# Altium PCB Main_PCB.PcbDoc (part 1 of 13) (continued)
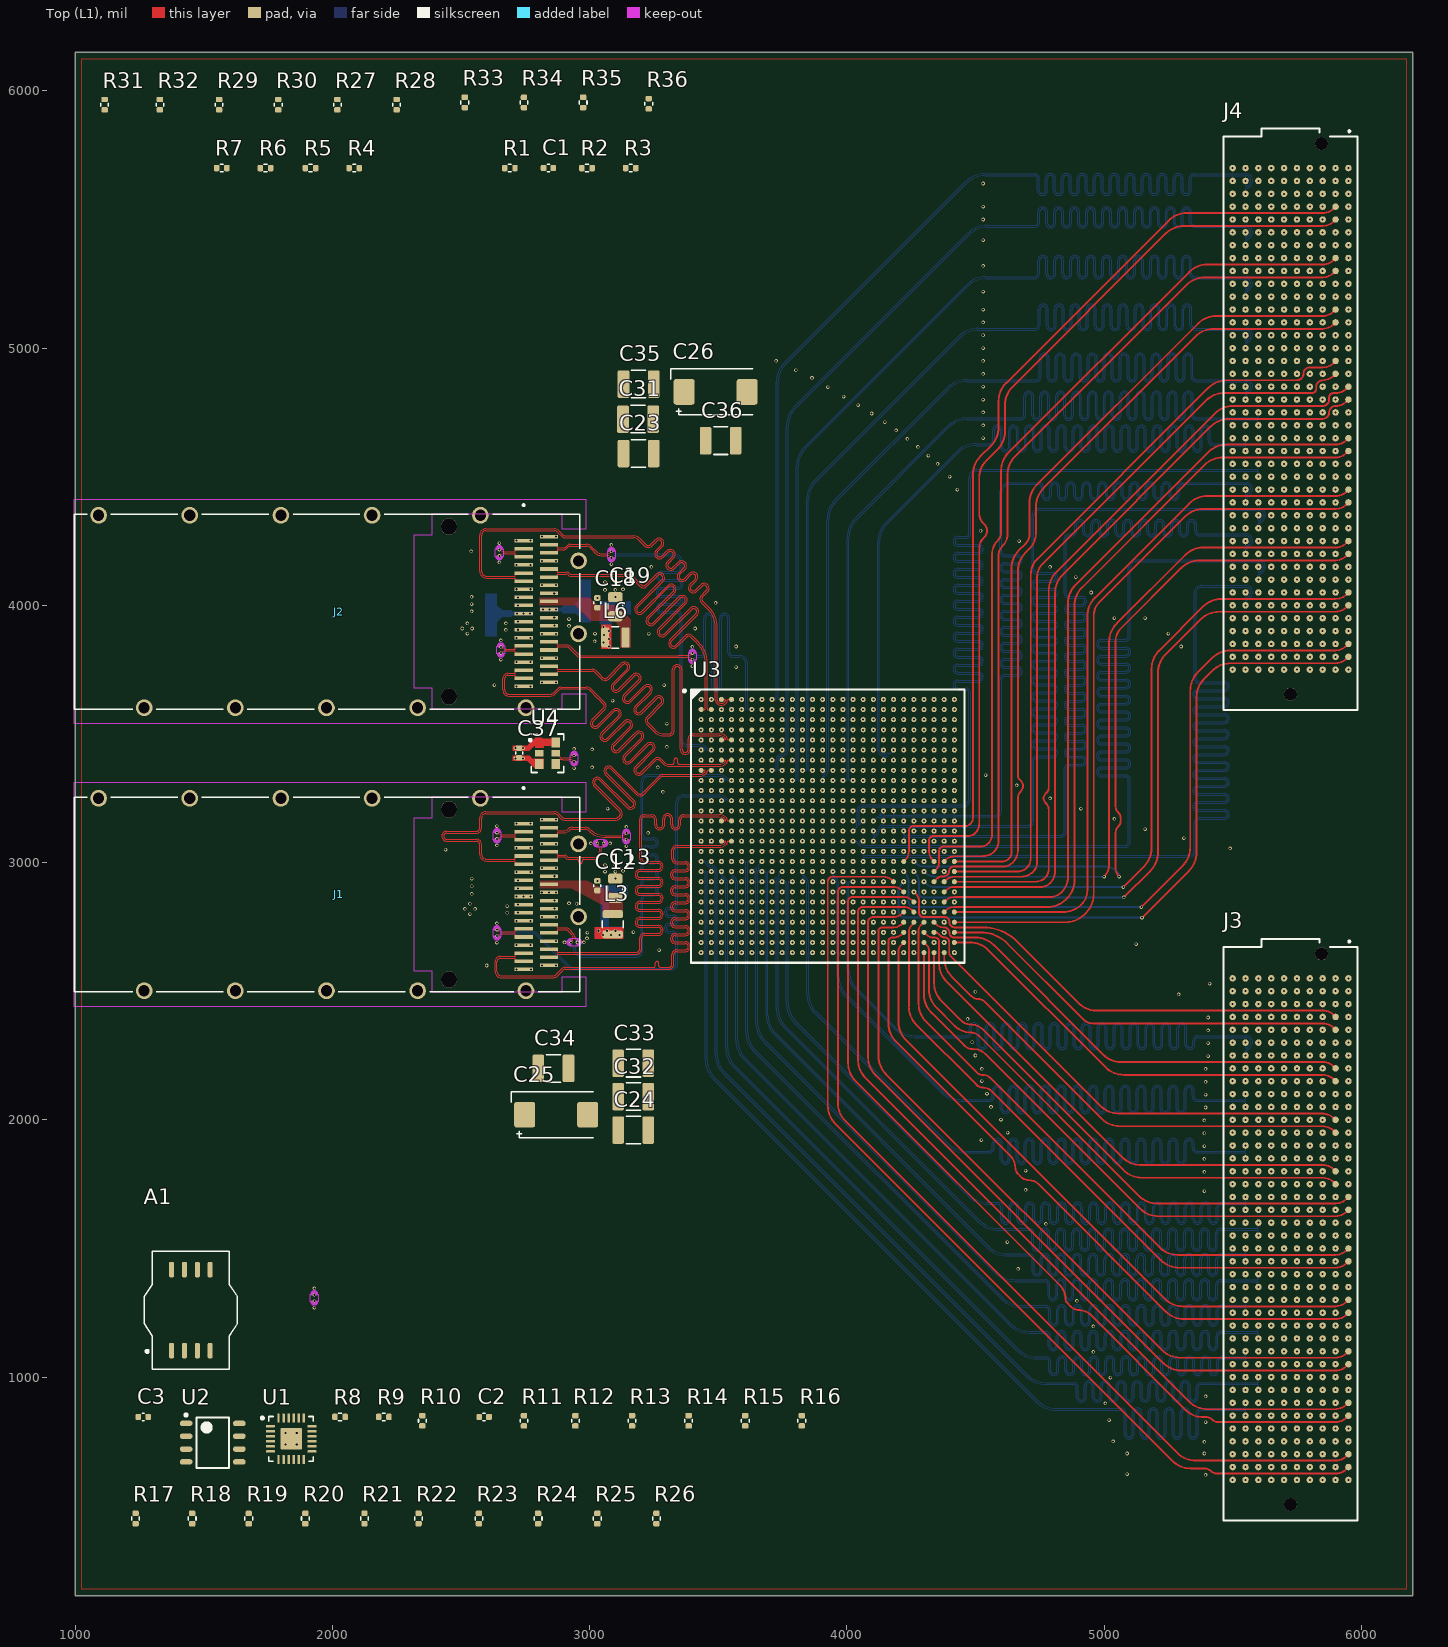
[diagram p0: Top (L1) view]
## Design rules (kind name [scope] priority, off if disabled: settings) (continued)
RoutingVias MinVias [All] p1: holewidth=7.87 width=13.78 viastyle="Through Hole" minholewidth=5.91 minwidth=9.84 maxholewidth=11.81 maxwidth=17.72
RoutingVias [All] p2: holewidth=28 width=50 viastyle="Through Hole" minholewidth=7.87 minwidth=50 maxholewidth=28 maxwidth=50
SolderMaskExpansion SolderMaskExpansion_Vias [IsVia] p1: expansion=4 istentingtop=TRUE useseparateexpansions=TRUE expansionbottom=4 istentingbottom=TRUE
SolderMaskExpansion [All] p2: expansion=4 istentingtop=FALSE
ViasUnderSMD [All] p1: allowed=TRUE
Width MaxMinWidth_1 [InNetClass('SE50')] p1: maxlimit=10 minlimit=5.05 preferedwidth=10 toplayer_minwidth=7.36 toplayer_maxwidth=7.36 toplayer_prefwidth=7.36 midlayer3_maxwidth=5.05 midlayer3_prefwidth=5.05 midlayer4_maxwidth=5.05 midlayer4_prefwidth=5.05 midlayer5_maxwidth=5.05 midlayer5_prefwidth=5.05 midlayer7_maxwidth=5.05 midlayer7_prefwidth=5.05 midlayer9_maxwidth=5.05 midlayer9_prefwidth=5.05 bottomlayer_minwidth=7.36 bottomlayer_maxwidth=7.36 bottomlayer_prefwidth=7.36 impedanceprofiledriven=TRUE impedanceprofileid={C27AE475-2679-46D0-AAB1-ABCC5B14D099} impedanceprofilevalue=50.000000 minimp=50.000000 maximp=50.000000 favimp=50.000000
Width MaxMinWidth_2 [InNetClass('Power')] p2: maxlimit=150 minlimit=4 preferedwidth=10 minimp=50.000000 maximp=50.000000 favimp=50.000000
Width [All] p3: maxlimit=10 minlimit=10 preferedwidth=10
27 further rules are at their usual default settings.

## Classes and differential pairs
net class Power: 1V0 1V2 1V8 3V3 3V3AUX GND
differential pair class QSFP_B: D_QSFP_B_RX1 D_QSFP_B_RX2 D_QSFP_B_RX3 D_QSFP_B_RX4 D_QSFP_B_TX1 D_QSFP_B_TX2 D_QSFP_B_TX3 D_QSFP_B_TX4
differential pair class QSFP_A: D_QSFP_A_RX1 D_QSFP_A_RX2 D_QSFP_A_RX3 D_QSFP_A_RX4 D_QSFP_A_TX1 D_QSFP_A_TX2 D_QSFP_A_TX3 D_QSFP_A_TX4
differential pair class HPCC_B: D_HPCC_B_01 D_HPCC_B_02 D_HPCC_B_03 D_HPCC_B_04 D_HPCC_B_05 D_HPCC_B_06 D_HPCC_B_07 D_HPCC_B_08 D_HPCC_B_09 D_HPCC_B_10 D_HPCC_B_11 D_HPCC_B_12 D_HPCC_B_13 D_HPCC_B_14 D_HPCC_B_15 D_HPCC_B_16 D_HPCC_B_17 D_HPCC_B_18 D_HPCC_B_19 D_HPCC_B_20 D_HPCC_B_21 D_HPCC_B_22 D_HPCC_B_23 D_HPCC_B_24 D_HPCC_B_25 D_HPCC_B_26 D_HPCC_B_27 D_HPCC_B_28 D_HPCC_B_29 D_HPCC_B_30 D_HPCC_B_31 D_HPCC_B_32 D_HPCC_B_33 D_HPCC_B_34 D_HPCC_B_35 D_HPCC_B_36 D_HPCC_B_37 D_HPCC_B_38 D_HPCC_B_39 D_HPCC_B_40 D_HPCC_B_41 D_HPCC_B_42 D_HPCC_B_43 D_HPCC_B_44 D_HPCC_B_45 D_HPCC_B_46 D_HPCC_B_47 D_HPCC_B_48 D_HPCC_B_49 D_HPCC_B_50 D_HPCC_B_51 D_HPCC_B_52 D_HPCC_B_53 D_HPCC_B_54 D_HPCC_B_55 D_HPCC_B_56 D_HPCC_B_57 D_HPCC_B_58 D_HPCC_B_59 D_HPCC_B_60 D_HPCC_B_61 D_HPCC_B_62 D_HPCC_B_63 D_HPCC_B_64 D_HPCC_B_65 D_HPCC_B_66 D_HPCC_B_67 D_HPCC_B_68 D_HPCC_B_69 D_HPCC_B_70 D_HPCC_B_71 D_HPCC_B_72
differential pair class HPCC_A: D_HPCC_A_01 D_HPCC_A_02 D_HPCC_A_03 D_HPCC_A_04 D_HPCC_A_05 D_HPCC_A_06 D_HPCC_A_07 D_HPCC_A_08 D_HPCC_A_09 D_HPCC_A_10 D_HPCC_A_11 D_HPCC_A_12 D_HPCC_A_13 D_HPCC_A_14 D_HPCC_A_15 D_HPCC_A_16 D_HPCC_A_17 D_HPCC_A_18 D_HPCC_A_19 D_HPCC_A_20 D_HPCC_A_21 D_HPCC_A_22 D_HPCC_A_23 D_HPCC_A_24 D_HPCC_A_25 D_HPCC_A_26 D_HPCC_A_27 D_HPCC_A_28 D_HPCC_A_29 D_HPCC_A_30 D_HPCC_A_31 D_HPCC_A_32 D_HPCC_A_33 D_HPCC_A_34 D_HPCC_A_35 D_HPCC_A_36 D_HPCC_A_37 D_HPCC_A_38 D_HPCC_A_39 D_HPCC_A_40 D_HPCC_A_41 D_HPCC_A_42 D_HPCC_A_43 D_HPCC_A_44 D_HPCC_A_45 D_HPCC_A_46 D_HPCC_A_47 D_HPCC_A_48 D_HPCC_A_49 D_HPCC_A_50 D_HPCC_A_51 D_HPCC_A_52 D_HPCC_A_53 D_HPCC_A_54 D_HPCC_A_55 D_HPCC_A_56 D_HPCC_A_57 D_HPCC_A_58 D_HPCC_A_59 D_HPCC_A_60 D_HPCC_A_61 D_HPCC_A_62 D_HPCC_A_63 D_HPCC_A_64 D_HPCC_A_65 D_HPCC_A_66 D_HPCC_A_67 D_HPCC_A_68 D_HPCC_A_69 D_HPCC_A_70 D_HPCC_A_71 D_HPCC_A_72
net class SE50: EEPROM_I2C_SCL EEPROM_I2C_SDA FGPA_I2C_SCL FGPA_I2C_SDA FPGA_FLASH_H\O\L\D\/D3 FPGA_FLASH_MISO/D1 FPGA_FLASH_MOSI/D0 FPGA_FLASH_S\S\ FPGA_FLASH_SCK FPGA_FLASH_W\/D2 FPGA_I2C_EXT0_SCL FPGA_I2C_EXT0_SDA FPGA_I2C_EXT1_SCL FPGA_I2C_EXT1_SDA HPCC_A_GP01 HPCC_A_GP02 HPCC_A_GP03 HPCC_A_GP04 HPCC_A_GP05 HPCC_A_GP06 HPCC_A_GP07 HPCC_A_GP08 HPCC_A_GP09 HPCC_A_GP10 HPCC_A_GP11 HPCC_A_GP12 HPCC_A_GP13 HPCC_A_GP14 HPCC_A_GP15 HPCC_A_GP16 HPCC_A_GP17 HPCC_A_GP18 HPCC_A_GP19 HPCC_A_GP20 HPCC_A_I2C_SCL HPCC_A_I2C_SDA HPCC_B_GP01 HPCC_B_GP02 HPCC_B_GP03 HPCC_B_GP04 HPCC_B_GP05 HPCC_B_GP06 HPCC_B_GP07 HPCC_B_GP08 HPCC_B_GP09 HPCC_B_GP10 HPCC_B_GP11 HPCC_B_GP12 HPCC_B_GP13 HPCC_B_GP14 HPCC_B_GP15 HPCC_B_GP16 HPCC_B_GP17 HPCC_B_GP18 HPCC_B_GP19 HPCC_B_GP20 HPCC_B_I2C_SCL HPCC_B_I2C_SDA JTAG_TCK JTAG_TDI JTAG_TDO JTAG_TMS JTAG_TRST MC_ALT_I2C_SCL MC_ALT_I2C_SDA QSFP_A_SCL QSFP_A_SDA QSFP_B_SCL QSFP_B_SDA
component class QSFP_Cages_Connectors: C4 C5 C6 C7 C8 C9 C10 C11 C12 C13 C14 C15 C16 C17 C18 C19 J1 J2 L1 L2 L3 L4 L5 L6 R27 R28 R29 R30 R31 R32
component class I2C_Switch_I2C_EEPROM: C2 C3 R8 R9 R10 R11 R12 R13 R14 R15 R16 R17 R18 R19 R20 R21 R22 R23 R24 R25 R26 U1 U2
component class HPCC_Connector_B: J4
component class HPCC_Connector_A: J3
component class FPGA_Power: C20 C21 C22 C23 C24 C25 C26 C27 C28 C29 C30 C31 C32 C33 C34 C35 C36
component class FPGA_GTXqs: C37 R36 U4
component class FPGA_FLASH: A1 C1 R1 R2 R3 R4 R5 R6 R7
component class Configuration_JTAG: R33 R34 R35 U3
differential pair D_HPCC_A_16: +HPCC_A_16_P -HPCC_A_16_N
differential pair D_HPCC_A_17: +HPCC_A_17_P -HPCC_A_17_N
differential pair D_HPCC_A_18: +HPCC_A_18_P -HPCC_A_18_N
differential pair D_HPCC_A_19: +HPCC_A_19_P -HPCC_A_19_N
differential pair D_HPCC_A_20: +HPCC_A_20_P -HPCC_A_20_N
differential pair D_HPCC_A_21: +HPCC_A_21_P -HPCC_A_21_N
differential pair D_HPCC_A_22: +HPCC_A_22_P -HPCC_A_22_N
differential pair D_HPCC_A_23: +HPCC_A_23_P -HPCC_A_23_N
differential pair D_HPCC_A_24: +HPCC_A_24_P -HPCC_A_24_N
differential pair D_HPCC_A_25: +HPCC_A_25_P -HPCC_A_25_N
differential pair D_HPCC_A_26: +HPCC_A_26_P -HPCC_A_26_N
differential pair D_HPCC_A_27: +HPCC_A_27_P -HPCC_A_27_N
differential pair D_HPCC_A_28: +HPCC_A_28_P -HPCC_A_28_N
differential pair D_HPCC_A_29: +HPCC_A_29_P -HPCC_A_29_N
differential pair D_HPCC_A_30: +HPCC_A_30_P -HPCC_A_30_N
differential pair D_HPCC_A_31: +HPCC_A_31_P -HPCC_A_31_N
differential pair D_HPCC_A_32: +HPCC_A_32_P -HPCC_A_32_N
differential pair D_HPCC_A_33: +HPCC_A_33_P -HPCC_A_33_N
differential pair D_HPCC_A_34: +HPCC_A_34_P -HPCC_A_34_N
differential pair D_HPCC_A_35: +HPCC_A_35_P -HPCC_A_35_N
differential pair D_HPCC_A_36: +HPCC_A_36_P -HPCC_A_36_N
differential pair D_HPCC_A_37: +HPCC_A_37_P -HPCC_A_37_N
differential pair D_HPCC_A_38: +HPCC_A_38_P -HPCC_A_38_N
differential pair D_HPCC_A_39: +HPCC_A_39_P -HPCC_A_39_N
differential pair D_HPCC_A_40: +HPCC_A_40_P -HPCC_A_40_N
differential pair D_HPCC_A_41: +HPCC_A_41_P -HPCC_A_41_N
differential pair D_HPCC_A_42: +HPCC_A_42_P -HPCC_A_42_N
differential pair D_HPCC_A_43: +HPCC_A_43_P -HPCC_A_43_N
differential pair D_HPCC_A_44: +HPCC_A_44_P -HPCC_A_44_N
differential pair D_HPCC_A_45: +HPCC_A_45_P -HPCC_A_45_N
differential pair D_HPCC_A_46: +HPCC_A_46_P -HPCC_A_46_N
differential pair D_HPCC_A_47: +HPCC_A_47_P -HPCC_A_47_N
differential pair D_HPCC_A_48: +HPCC_A_48_P -HPCC_A_48_N
differential pair D_HPCC_A_49: +HPCC_A_49_P -HPCC_A_49_N
differential pair D_HPCC_A_50: +HPCC_A_50_P -HPCC_A_50_N
differential pair D_HPCC_A_51: +HPCC_A_51_P -HPCC_A_51_N
differential pair D_HPCC_A_52: +HPCC_A_52_P -HPCC_A_52_N
differential pair D_HPCC_A_53: +HPCC_A_53_P -HPCC_A_53_N
differential pair D_HPCC_A_54: +HPCC_A_54_P -HPCC_A_54_N
differential pair D_HPCC_A_55: +HPCC_A_55_P -HPCC_A_55_N
differential pair D_HPCC_A_56: +HPCC_A_56_P -HPCC_A_56_N
differential pair D_HPCC_A_57: +HPCC_A_57_P -HPCC_A_57_N
differential pair D_HPCC_A_58: +HPCC_A_58_P -HPCC_A_58_N
differential pair D_HPCC_A_59: +HPCC_A_59_P -HPCC_A_59_N
differential pair D_HPCC_A_60: +HPCC_A_60_P -HPCC_A_60_N
differential pair D_HPCC_A_61: +HPCC_A_61_P -HPCC_A_61_N
differential pair D_HPCC_A_62: +HPCC_A_62_P -HPCC_A_62_N
differential pair D_HPCC_A_63: +HPCC_A_63_P -HPCC_A_63_N
differential pair D_HPCC_A_64: +HPCC_A_64_P -HPCC_A_64_N
differential pair D_HPCC_A_65: +HPCC_A_65_P -HPCC_A_65_N
differential pair D_HPCC_A_66: +HPCC_A_66_P -HPCC_A_66_N
differential pair D_HPCC_A_67: +HPCC_A_67_P -HPCC_A_67_N
differential pair D_HPCC_A_68: +HPCC_A_68_P -HPCC_A_68_N
differential pair D_HPCC_A_69: +HPCC_A_69_P -HPCC_A_69_N
differential pair D_HPCC_A_70: +HPCC_A_70_P -HPCC_A_70_N
differential pair D_HPCC_A_71: +HPCC_A_71_P -HPCC_A_71_N
differential pair D_HPCC_A_72: +HPCC_A_72_P -HPCC_A_72_N
differential pair D_HPCC_B_01: +HPCC_B_01_P -HPCC_B_01_N
differential pair D_HPCC_B_02: +HPCC_B_02_P -HPCC_B_02_N
differential pair D_HPCC_B_03: +HPCC_B_03_P -HPCC_B_03_N
differential pair D_HPCC_B_04: +HPCC_B_04_P -HPCC_B_04_N
differential pair D_HPCC_B_05: +HPCC_B_05_P -HPCC_B_05_N
differential pair D_HPCC_B_06: +HPCC_B_06_P -HPCC_B_06_N
differential pair D_HPCC_B_07: +HPCC_B_07_P -HPCC_B_07_N
differential pair D_HPCC_B_08: +HPCC_B_08_P -HPCC_B_08_N
differential pair D_HPCC_B_09: +HPCC_B_09_P -HPCC_B_09_N
differential pair D_HPCC_B_10: +HPCC_B_10_P -HPCC_B_10_N
differential pair D_HPCC_B_11: +HPCC_B_11_P -HPCC_B_11_N
differential pair D_HPCC_B_12: +HPCC_B_12_P -HPCC_B_12_N
differential pair D_HPCC_B_13: +HPCC_B_13_P -HPCC_B_13_N
differential pair D_HPCC_B_14: +HPCC_B_14_P -HPCC_B_14_N
differential pair D_HPCC_B_15: +HPCC_B_15_P -HPCC_B_15_N
differential pair D_HPCC_B_16: +HPCC_B_16_P -HPCC_B_16_N
differential pair D_HPCC_B_17: +HPCC_B_17_P -HPCC_B_17_N
differential pair D_HPCC_B_18: +HPCC_B_18_P -HPCC_B_18_N
differential pair D_HPCC_B_19: +HPCC_B_19_P -HPCC_B_19_N
differential pair D_HPCC_B_20: +HPCC_B_20_P -HPCC_B_20_N
differential pair D_HPCC_B_21: +HPCC_B_21_P -HPCC_B_21_N
differential pair D_HPCC_B_22: +HPCC_B_22_P -HPCC_B_22_N
differential pair D_HPCC_B_23: +HPCC_B_23_P -HPCC_B_23_N
differential pair D_HPCC_B_24: +HPCC_B_24_P -HPCC_B_24_N
differential pair D_HPCC_B_25: +HPCC_B_25_P -HPCC_B_25_N
differential pair D_HPCC_B_26: +HPCC_B_26_P -HPCC_B_26_N
differential pair D_HPCC_B_27: +HPCC_B_27_P -HPCC_B_27_N
differential pair D_HPCC_B_28: +HPCC_B_28_P -HPCC_B_28_N
differential pair D_HPCC_B_29: +HPCC_B_29_P -HPCC_B_29_N
differential pair D_HPCC_B_30: +HPCC_B_30_P -HPCC_B_30_N
differential pair D_HPCC_B_31: +HPCC_B_31_P -HPCC_B_31_N
differential pair D_HPCC_B_32: +HPCC_B_32_P -HPCC_B_32_N
differential pair D_HPCC_B_33: +HPCC_B_33_P -HPCC_B_33_N
differential pair D_HPCC_B_34: +HPCC_B_34_P -HPCC_B_34_N
differential pair D_HPCC_B_35: +HPCC_B_35_P -HPCC_B_35_N
differential pair D_HPCC_B_36: +HPCC_B_36_P -HPCC_B_36_N
differential pair D_HPCC_B_37: +HPCC_B_37_P -HPCC_B_37_N
differential pair D_HPCC_B_38: +HPCC_B_38_P -HPCC_B_38_N
differential pair D_HPCC_B_39: +HPCC_B_39_P -HPCC_B_39_N
differential pair D_HPCC_B_40: +HPCC_B_40_P -HPCC_B_40_N
differential pair D_HPCC_B_41: +HPCC_B_41_P -HPCC_B_41_N
differential pair D_HPCC_B_42: +HPCC_B_42_P -HPCC_B_42_N
differential pair D_HPCC_B_43: +HPCC_B_43_P -HPCC_B_43_N
differential pair D_HPCC_B_44: +HPCC_B_44_P -HPCC_B_44_N
differential pair D_HPCC_B_45: +HPCC_B_45_P -HPCC_B_45_N
differential pair D_HPCC_B_46: +HPCC_B_46_P -HPCC_B_46_N
differential pair D_HPCC_B_47: +HPCC_B_47_P -HPCC_B_47_N
differential pair D_HPCC_B_48: +HPCC_B_48_P -HPCC_B_48_N
differential pair D_HPCC_B_49: +HPCC_B_49_P -HPCC_B_49_N
differential pair D_HPCC_B_50: +HPCC_B_50_P -HPCC_B_50_N
differential pair D_HPCC_B_51: +HPCC_B_51_P -HPCC_B_51_N
differential pair D_HPCC_B_52: +HPCC_B_52_P -HPCC_B_52_N
differential pair D_HPCC_B_53: +HPCC_B_53_P -HPCC_B_53_N
differential pair D_HPCC_B_54: +HPCC_B_54_P -HPCC_B_54_N
differential pair D_HPCC_B_55: +HPCC_B_55_P -HPCC_B_55_N
differential pair D_HPCC_B_56: +HPCC_B_56_P -HPCC_B_56_N
differential pair D_HPCC_B_57: +HPCC_B_57_P -HPCC_B_57_N
differential pair D_HPCC_B_58: +HPCC_B_58_P -HPCC_B_58_N
differential pair D_HPCC_B_59: +HPCC_B_59_P -HPCC_B_59_N
differential pair D_HPCC_B_60: +HPCC_B_60_P -HPCC_B_60_N
differential pair D_HPCC_B_61: +HPCC_B_61_P -HPCC_B_61_N
differential pair D_HPCC_B_62: +HPCC_B_62_P -HPCC_B_62_N
differential pair D_HPCC_B_63: +HPCC_B_63_P -HPCC_B_63_N
differential pair D_HPCC_B_64: +HPCC_B_64_P -HPCC_B_64_N
differential pair D_HPCC_B_65: +HPCC_B_65_P -HPCC_B_65_N
differential pair D_HPCC_B_66: +HPCC_B_66_P -HPCC_B_66_N
differential pair D_HPCC_B_67: +HPCC_B_67_P -HPCC_B_67_N
differential pair D_HPCC_B_68: +HPCC_B_68_P -HPCC_B_68_N
differential pair D_HPCC_B_69: +HPCC_B_69_P -HPCC_B_69_N
differential pair D_HPCC_B_70: +HPCC_B_70_P -HPCC_B_70_N
differential pair D_HPCC_B_71: +HPCC_B_71_P -HPCC_B_71_N
differential pair D_HPCC_B_72: +HPCC_B_72_P -HPCC_B_72_N
differential pair D_GTX_REFCLK: +GTX_REFCLK_P -GTX_REFCLK_N
differential pair D_HPCC_A_02: +HPCC_A_02_P -HPCC_A_02_N
differential pair D_HPCC_A_03: +HPCC_A_03_P -HPCC_A_03_N
differential pair D_HPCC_A_04: +HPCC_A_04_P -HPCC_A_04_N
differential pair D_HPCC_A_05: +HPCC_A_05_P -HPCC_A_05_N
differential pair D_HPCC_A_06: +HPCC_A_06_P -HPCC_A_06_N
differential pair D_HPCC_A_07: +HPCC_A_07_P -HPCC_A_07_N
differential pair D_HPCC_A_08: +HPCC_A_08_P -HPCC_A_08_N
differential pair D_HPCC_A_09: +HPCC_A_09_P -HPCC_A_09_N
differential pair D_HPCC_A_10: +HPCC_A_10_P -HPCC_A_10_N
differential pair D_HPCC_A_11: +HPCC_A_11_P -HPCC_A_11_N
differential pair D_HPCC_A_12: +HPCC_A_12_P -HPCC_A_12_N
differential pair D_HPCC_A_13: +HPCC_A_13_P -HPCC_A_13_N
differential pair D_HPCC_A_14: +HPCC_A_14_P -HPCC_A_14_N
differential pair D_HPCC_A_15: +HPCC_A_15_P -HPCC_A_15_N
differential pair D_QSFP_A_RX1: +QSFP_A_RX1_P -QSFP_A_RX1_N
differential pair D_QSFP_A_RX2: +QSFP_A_RX2_P -QSFP_A_RX2_N
differential pair D_QSFP_A_RX3: +QSFP_A_RX3_P -QSFP_A_RX3_N
differential pair D_QSFP_A_RX4: +QSFP_A_RX4_P -QSFP_A_RX4_N
differential pair D_QSFP_A_TX1: +QSFP_A_TX1_P -QSFP_A_TX1_N
differential pair D_QSFP_A_TX2: +QSFP_A_TX2_P -QSFP_A_TX2_N
differential pair D_QSFP_A_TX3: +QSFP_A_TX3_P -QSFP_A_TX3_N
differential pair D_QSFP_A_TX4: +QSFP_A_TX4_P -QSFP_A_TX4_N
differential pair D_QSFP_B_RX1: +QSFP_B_RX1_P -QSFP_B_RX1_N
differential pair D_QSFP_B_RX2: +QSFP_B_RX2_P -QSFP_B_RX2_N
differential pair D_QSFP_B_RX3: +QSFP_B_RX3_P -QSFP_B_RX3_N
differential pair D_QSFP_B_RX4: +QSFP_B_RX4_P -QSFP_B_RX4_N
differential pair D_QSFP_B_TX1: +QSFP_B_TX1_P -QSFP_B_TX1_N
differential pair D_QSFP_B_TX2: +QSFP_B_TX2_P -QSFP_B_TX2_N
differential pair D_QSFP_B_TX3: +QSFP_B_TX3_P -QSFP_B_TX3_N
differential pair D_QSFP_B_TX4: +QSFP_B_TX4_P -QSFP_B_TX4_N
differential pair D_HPCC_A_01: +HPCC_A_01_P -HPCC_A_01_N

## Components (designator, comment, footprint, x,y, rotation, side; value= is the part's Value field where it differs from the comment)
A1 "MT25QL128" LOTES_ACA-SPI-004-K01 1450,1260 r90 top
C1 "100n" C_0402_Generic 2840,5700 r0 top
C2 "100n" C_0402_Generic 2590,845 r0 top
C3 "100n" C_0402_Generic 1265,845 r0 top
C4 "100n" C_0402_Generic 3010,2728 r0 bottom
C5 "22u" C_0805_Generic 3130,2930 r270 bottom
C6 "100n" C_0402_Generic 3040,3890 r0 bottom
C7 "22u" C_0805_Generic 3130,4025 r270 bottom
C8 "100n" C_0402_Generic 2680,2850 r90 bottom
C9 "22u" C_0805_Generic 2581,2819.16 r0 bottom
C10 "100n" C_0402_Generic 2920,2860 r90 bottom
C11 "22u" C_0805_Generic 3020,2968.81 r180 bottom
C12 "100n" C_0402_Generic 3030,2910.21 r270 top
C13 "22u" C_0805_Generic 3100,2900.21 r270 top
C14 "100n" C_0402_Generic 2675,3950 r90 bottom
C15 "22u" C_0805_Generic 2581,3910 r0 bottom
C16 "100n" C_0402_Generic 2920,3965 r90 bottom
C17 "22u" C_0805_Generic 3020,4070 r180 bottom
C18 "100n" C_0402_Generic 3030,4010 r270 top
C19 "22u" C_0805_Generic 3100,3995 r270 top
C20 "4.7u" C_0805_Generic 2110,1936 r90 bottom
C21 "4.7u" C_0805_Generic 2031.09,1897 r90 bottom
C22 "4.7u" C_0805_Generic 2032,1582 r270 bottom
C23 "100u" C_1210_GENERIC 3190,4590 r0 top
C24 "100u" C_1210_GENERIC 3170,1960 r180 top
C25 "330u" C_TANT_EIA-7343-20 2870,2020 r0 top
C26 "330u" C_TANT_EIA-7343-20 3490,4830 r0 top
C27 "100u" C_1210_GENERIC 2230.12,1700.55 r180 bottom
C28 "4.7u" C_0805_Generic 2445.67,1543.07 r90 bottom
C29 "4.7u" C_0805_Generic 2361.56,1700.55 r90 bottom
C30 "4.7u" C_0805_Generic 2440.3,1700.55 r90 bottom
C31 "47u" C_1210_GENERIC 3188.07,4723.85 r0 top
C32 "47u" C_1210_GENERIC 3170,2090 r180 top
C33 "47u" C_1210_GENERIC 3170,2220 r180 top
C34 "47u" C_1210_GENERIC 2860,2200 r180 top
C35 "47u" C_1210_GENERIC 3190,4860 r0 top
C36 "47u" C_1210_GENERIC 3510,4640 r180 top
C37 "100n" C_0402_Generic 2726.5,3426.1 r90 top
J1 "QSFP+ Cage/Conn" AMPHENOL_U95T151100A 2453.54,2875.98 r270 top locked
J2 "QSFP+ Cage/Conn" AMPHENOL_U95T151100A 2453.54,3975.98 r270 top locked
J3 "ASP-134486-01" SAMTEC_ASP-134486-01 5725,1575 r270 top locked
J4 "ASP-134486-01" SAMTEC_ASP-134486-01 5725,4725 r270 top locked
L1 "1u" Murata_Ind_1008 2581,2907.97 r0 bottom
L2 "1u" Murata_Ind_1008 3020,2880 r180 bottom
L3 "1u" Murata_Ind_1008 3090,2760 r90 top
L4 "1u" Murata_Ind_1008 2581,4005 r0 bottom
L5 "1u" Murata_Ind_1008 3020,3975 r180 bottom
L6 "1u" Murata_Ind_1008 3100,3875 r0 top
R1 "4K7" R_0402_Generic 2690,5700 r0 top
R2 "4K7" R_0402_Generic 2990,5700 r0 top
R3 "4K7" R_0402_Generic 3160,5700 r0 top
R4 "27R" R_0402_Generic 2085,5700 r0 top
R5 "27R" R_0402_Generic 1915,5700 r0 top
R6 "27R" R_0402_Generic 1740,5700 r0 top
R7 "27R" R_0402_Generic 1570,5700 r0 top
R8 "4K7" R_0402_Generic 2030,845 r0 top
R9 "4K7" R_0402_Generic 2200,845 r0 top
R10 "4K7" R_0402_Generic 2350,830 r90 top
R11 "4K7" R_0402_Generic 2745,830 r90 top
R12 "4K7" R_0402_Generic 2945,830 r90 top
R13 "4K7" R_0402_Generic 3165,830 r90 top
R14 "4K7" R_0402_Generic 3385,830 r90 top
R15 "4K7" R_0402_Generic 3605,830 r90 top
R16 "4K7" R_0402_Generic 3825,830 r90 top
R17 "4K7" R_0402_Generic 1235,450 r90 top
R18 "4K7" R_0402_Generic 1455,450 r90 top
R19 "4K7" R_0402_Generic 1675,450 r90 top
R20 "4K7" R_0402_Generic 1895,450 r90 top
R21 "4K7" R_0402_Generic 2125,450 r90 top
R22 "4K7" R_0402_Generic 2335,450 r90 top
R23 "4K7" R_0402_Generic 2570,450 r90 top
R24 "4K7" R_0402_Generic 2800,450 r90 top
R25 "4K7" R_0402_Generic 3030,450 r90 top
R26 "4K7" R_0402_Generic 3260,450 r90 top
R27 "4K7" R_0402_Generic 2019.76,5946.37 r90 top
R28 "4K7" R_0402_Generic 2249.76,5946.37 r90 top
R29 "4K7" R_0402_Generic 1559.76,5946.37 r90 top
R30 "4K7" R_0402_Generic 1789.76,5946.37 r90 top
R31 "4K7" R_0402_Generic 1114.76,5946.37 r90 top
R32 "4K7" R_0402_Generic 1329.76,5946.37 r90 top
R33 "4K7" R_0402_Generic 2515,5955 r90 top
R34 "4K7" R_0402_Generic 2745,5955 r90 top
R35 "4K7" R_0402_Generic 2975,5955 r90 top
R36 "100R" R_0402_Generic 3230,5950 r90 top
U1 "PCA9548A" HVQFN24_NXP 1840,760 r0 top
U2 "M24C08-WMN6TP" STM-SOIC-8_L 1535,745 r0 top
U3 "XC7K160T-2FFG676I" FFG676_(XC7K160T-2FFG676I) 3925.98,3142.13 r0 top locked
U4 "DSC1123CI2-156.2500T" Microchip_DSC1123CI2 2836.5,3425 r270 top

## Footprints (in the part's own frame and the unit in brackets; to place one, negate y for a bottom-side part, rotate by r counter-clockwise, add the part's x,y. Pads: shape width x height; smd on the part's side, far side on the other; paste and mask are expansions set on the pad)
AMPHENOL_U95T151100A [mm]
  rect 0.35x1.8 smd mask+0.05: 1(-7,7.37) 2(-6.2,7.37) 3(-5.4,7.37) 4(-4.6,7.37) 5(-3.8,7.37) 6(-3,7.37) 7(-2.2,7.37) 8(-1.4,7.37) 9(-0.6,7.37) 10(0.2,7.37) 11(1,7.37) 12(1.8,7.37) 13(2.6,7.37) 14(3.4,7.37) 15(4.2,7.37) 16(5,7.37) 17(5.8,7.37) 18(6.6,7.37) 19(7.4,7.37) 20(7,9.87) 21(6.2,9.87) 22(5.4,9.87) 23(4.6,9.87) 24(3.8,9.87) 25(3,9.87) 26(2.2,9.87) 27(1.4,9.87) 28(0.6,9.87) 29(-0.2,9.87) 30(-1,9.87) 31(-1.8,9.87) 32(-2.6,9.87) 33(-3.4,9.87) 34(-4.2,9.87) 35(-5,9.87) 36(-5.8,9.87) 37(-6.6,9.87) 38(-7.4,9.87)
  round 1.65 hole 1.1 mask+0.05: G1(-9.5,-7.6) G2(-9.5,-16.6) G3(-9.5,-25.6) G4(-9.5,-34.6) G5(9.5,-3.1) G6(9.5,-12.1) G7(9.5,-21.1) G8(9.5,-30.1) G9(9.5,7.6) G10(-9.5,3.1) G11(2.2,12.79) G12(-5,12.79)
  round 1.6 hole 1.6 unplated: ""(-8.4,0) ""(8.4,0)
  Top (L1) keep-out region: 11.075,-37 -11.075,-37 -11.075,13.49 -8.1,13.49 -8.1,11.19 -9.6,11.19 -9.6,-1.69 -7.51,-1.69 -7.51,-3.5 7.51,-3.5 7.51,-1.69 9.6,-1.69 9.6,11.19 8.1,11.19 8.1,13.49 11.075,13.49
  silkscreen extent -10.6,-37 9.62,12.92, body extent -10.41,-48 10.41,12.92, height 15.1
C_0402_Generic [mm] "Generic 0402 capacitor footprint based on the KiCad default library"
  rrect50% 0.56x0.62 smd: 1(-0.48,0) 2(0.48,0)
  silkscreen extent -0.11,-0.36 0.11,0.36, body extent -0.53,-0.28 0.53,0.28, height 0.5
C_0805_Generic [mm] "Generic 0805 capacitor footprint based on the KiCad default library"
  rrect50% 1x1.45 smd: 1(-0.95,0) 2(0.95,0)
  silkscreen extent -0.26,-0.73 0.26,0.73, body extent -1.1,-0.72 1.1,0.72, height 1.5
C_1210_GENERIC [mm] "Generic 1210 capacitor footprint based on the KiCad default library"
  rrect25% 1.15x2.7 smd: 1(-1.475,0) 2(1.5,0)
  silkscreen extent -0.71,-1.36 0.71,1.36, body extent -1.75,-1.35 1.75,1.35, height 2.5
C_TANT_EIA-7343-20 [mm] "Footprint for Kemet tantalum capacitors using the EIA-7343-20 package, adapted from KiCad"
  rrect25% 2.075x2.55 smd mask+0.05: 1(-3.113,0) 2(3.113,0)
  silkscreen extent -4.41,-2.26 3.65,2.26, body extent -3.75,-2.3 3.75,2.3, height 2
FFG676_(XC7K160T-2FFG676I) [mm] "BGA, 676-Balls, Body 27x27mm, Pitch 1.0mm, Average package delays included"
  round 0.5 smd: A1(-12.5,12.5) A2(-11.5,12.5) A3(-10.5,12.5) A4(-9.5,12.5) A5(-8.5,12.5) A6(-7.5,12.5) A7(-6.5,12.5) A8(-5.5,12.5) A9(-4.5,12.5) A10(-3.5,12.5) A11(-2.5,12.5) A12(-1.5,12.5) A13(-0.5,12.5) A14(0.5,12.5) A15(1.5,12.5) A16(2.5,12.5) A17(3.5,12.5) A18(4.5,12.5) A19(5.5,12.5) A20(6.5,12.5) A21(7.5,12.5) A22(8.5,12.5) A23(9.5,12.5) A24(10.5,12.5) A25(11.5,12.5) A26(12.5,12.5) AA1(-12.5,-7.5) AA2(-11.5,-7.5) AA3(-10.5,-7.5) AA4(-9.5,-7.5) AA5(-8.5,-7.5) AA6(-7.5,-7.5) AA7(-6.5,-7.5) AA8(-5.5,-7.5) AA9(-4.5,-7.5) AA10(-3.5,-7.5) AA11(-2.5,-7.5) AA12(-1.5,-7.5) AA13(-0.5,-7.5) AA14(0.5,-7.5) AA15(1.5,-7.5) AA16(2.5,-7.5) AA17(3.5,-7.5) AA18(4.5,-7.5) AA19(5.5,-7.5) AA20(6.5,-7.5) AA21(7.5,-7.5) AA22(8.5,-7.5) AA23(9.5,-7.5) AA24(10.5,-7.5) AA25(11.5,-7.5) AA26(12.5,-7.5) AB1(-12.5,-8.5) AB2(-11.5,-8.5) AB3(-10.5,-8.5) AB4(-9.5,-8.5) AB5(-8.5,-8.5) AB6(-7.5,-8.5) AB7(-6.5,-8.5) AB8(-5.5,-8.5) AB9(-4.5,-8.5) AB10(-3.5,-8.5) AB11(-2.5,-8.5) AB12(-1.5,-8.5) AB13(-0.5,-8.5) AB14(0.5,-8.5) AB15(1.5,-8.5) AB16(2.5,-8.5) AB17(3.5,-8.5) AB18(4.5,-8.5) AB19(5.5,-8.5) AB20(6.5,-8.5) AB21(7.5,-8.5) AB22(8.5,-8.5) AB23(9.5,-8.5) AB24(10.5,-8.5) AB25(11.5,-8.5) AB26(12.5,-8.5) AC1(-12.5,-9.5) AC2(-11.5,-9.5) AC3(-10.5,-9.5) AC4(-9.5,-9.5) AC5(-8.5,-9.5) AC6(-7.5,-9.5) AC7(-6.5,-9.5) AC8(-5.5,-9.5) AC9(-4.5,-9.5) AC10(-3.5,-9.5) AC11(-2.5,-9.5) AC12(-1.5,-9.5) AC13(-0.5,-9.5) AC14(0.5,-9.5) AC15(1.5,-9.5) AC16(2.5,-9.5) AC17(3.5,-9.5) AC18(4.5,-9.5) AC19(5.5,-9.5) AC20(6.5,-9.5) AC21(7.5,-9.5) AC22(8.5,-9.5) AC23(9.5,-9.5) AC24(10.5,-9.5) AC25(11.5,-9.5) AC26(12.5,-9.5) AD1(-12.5,-10.5) AD2(-11.5,-10.5) AD3(-10.5,-10.5) AD4(-9.5,-10.5) AD5(-8.5,-10.5) AD6(-7.5,-10.5) AD7(-6.5,-10.5) AD8(-5.5,-10.5) AD9(-4.5,-10.5) AD10(-3.5,-10.5) AD11(-2.5,-10.5) AD12(-1.5,-10.5) AD13(-0.5,-10.5) AD14(0.5,-10.5) AD15(1.5,-10.5) AD16(2.5,-10.5) AD17(3.5,-10.5) AD18(4.5,-10.5) AD19(5.5,-10.5) AD20(6.5,-10.5) AD21(7.5,-10.5) AD22(8.5,-10.5) AD23(9.5,-10.5) AD24(10.5,-10.5) AD25(11.5,-10.5) AD26(12.5,-10.5) AE1(-12.5,-11.5) AE2(-11.5,-11.5) AE3(-10.5,-11.5) AE4(-9.5,-11.5) AE5(-8.5,-11.5) AE6(-7.5,-11.5) AE7(-6.5,-11.5) AE8(-5.5,-11.5) AE9(-4.5,-11.5) AE10(-3.5,-11.5) AE11(-2.5,-11.5) AE12(-1.5,-11.5) AE13(-0.5,-11.5) AE14(0.5,-11.5) AE15(1.5,-11.5) AE16(2.5,-11.5) AE17(3.5,-11.5) AE18(4.5,-11.5) AE19(5.5,-11.5) AE20(6.5,-11.5) AE21(7.5,-11.5) AE22(8.5,-11.5) AE23(9.5,-11.5) AE24(10.5,-11.5) AE25(11.5,-11.5) AE26(12.5,-11.5) AF1(-12.5,-12.5) AF2(-11.5,-12.5) AF3(-10.5,-12.5) AF4(-9.5,-12.5) AF5(-8.5,-12.5) AF6(-7.5,-12.5) AF7(-6.5,-12.5) AF8(-5.5,-12.5) AF9(-4.5,-12.5) AF10(-3.5,-12.5) AF11(-2.5,-12.5) AF12(-1.5,-12.5) AF13(-0.5,-12.5) AF14(0.5,-12.5) AF15(1.5,-12.5) AF16(2.5,-12.5) AF17(3.5,-12.5) AF18(4.5,-12.5) AF19(5.5,-12.5) AF20(6.5,-12.5) AF21(7.5,-12.5) AF22(8.5,-12.5) AF23(9.5,-12.5) AF24(10.5,-12.5) AF25(11.5,-12.5) AF26(12.5,-12.5) B1(-12.5,11.5) B2(-11.5,11.5) B3(-10.5,11.5) B4(-9.5,11.5) B5(-8.5,11.5) B6(-7.5,11.5) B7(-6.5,11.5) B8(-5.5,11.5) B9(-4.5,11.5) B10(-3.5,11.5) B11(-2.5,11.5) B12(-1.5,11.5) B13(-0.5,11.5) B14(0.5,11.5) B15(1.5,11.5) B16(2.5,11.5) B17(3.5,11.5) B18(4.5,11.5) B19(5.5,11.5) B20(6.5,11.5) B21(7.5,11.5) B22(8.5,11.5) B23(9.5,11.5) B24(10.5,11.5) B25(11.5,11.5) B26(12.5,11.5) C1(-12.5,10.5) C2(-11.5,10.5) C3(-10.5,10.5) C4(-9.5,10.5) C5(-8.5,10.5) C6(-7.5,10.5) C7(-6.5,10.5) C8(-5.5,10.5) C9(-4.5,10.5) C10(-3.5,10.5) C11(-2.5,10.5) C12(-1.5,10.5) C13(-0.5,10.5) C14(0.5,10.5) C15(1.5,10.5) C16(2.5,10.5) C17(3.5,10.5) C18(4.5,10.5) C19(5.5,10.5) C20(6.5,10.5) C21(7.5,10.5) C22(8.5,10.5) C23(9.5,10.5) C24(10.5,10.5) C25(11.5,10.5) C26(12.5,10.5) D1(-12.5,9.5) D2(-11.5,9.5) D3(-10.5,9.5) D4(-9.5,9.5) D5(-8.5,9.5) D6(-7.5,9.5) D7(-6.5,9.5) D8(-5.5,9.5) D9(-4.5,9.5) D10(-3.5,9.5) D11(-2.5,9.5) D12(-1.5,9.5) D13(-0.5,9.5) D14(0.5,9.5) D15(1.5,9.5) D16(2.5,9.5) D17(3.5,9.5) D18(4.5,9.5) D19(5.5,9.5) D20(6.5,9.5) D21(7.5,9.5) D22(8.5,9.5) D23(9.5,9.5) D24(10.5,9.5) D25(11.5,9.5) D26(12.5,9.5) E1(-12.5,8.5) E2(-11.5,8.5) E3(-10.5,8.5) E4(-9.5,8.5) E5(-8.5,8.5) E6(-7.5,8.5) E7(-6.5,8.5) E8(-5.5,8.5) E9(-4.5,8.5) E10(-3.5,8.5) E11(-2.5,8.5) E12(-1.5,8.5) E13(-0.5,8.5) E14(0.5,8.5) E15(1.5,8.5) E16(2.5,8.5) E17(3.5,8.5) E18(4.5,8.5) E19(5.5,8.5) E20(6.5,8.5) E21(7.5,8.5) E22(8.5,8.5) E23(9.5,8.5) E24(10.5,8.5) E25(11.5,8.5) E26(12.5,8.5) F1(-12.5,7.5) F2(-11.5,7.5) F3(-10.5,7.5) F4(-9.5,7.5) F5(-8.5,7.5) F6(-7.5,7.5) F7(-6.5,7.5) F8(-5.5,7.5) F9(-4.5,7.5) F10(-3.5,7.5) F11(-2.5,7.5) F12(-1.5,7.5) F13(-0.5,7.5) F14(0.5,7.5) F15(1.5,7.5) F16(2.5,7.5) F17(3.5,7.5) F18(4.5,7.5) F19(5.5,7.5) F20(6.5,7.5) F21(7.5,7.5) F22(8.5,7.5) F23(9.5,7.5) F24(10.5,7.5) F25(11.5,7.5) F26(12.5,7.5) G1(-12.5,6.5) G2(-11.5,6.5) G3(-10.5,6.5) G4(-9.5,6.5) G5(-8.5,6.5) G6(-7.5,6.5) G7(-6.5,6.5) G8(-5.5,6.5) G9(-4.5,6.5) G10(-3.5,6.5) G11(-2.5,6.5) G12(-1.5,6.5) G13(-0.5,6.5) G14(0.5,6.5) G15(1.5,6.5) G16(2.5,6.5) G17(3.5,6.5) G18(4.5,6.5) G19(5.5,6.5) G20(6.5,6.5) G21(7.5,6.5) G22(8.5,6.5) G23(9.5,6.5) G24(10.5,6.5) G25(11.5,6.5) G26(12.5,6.5) H1(-12.5,5.5) H2(-11.5,5.5) H3(-10.5,5.5) H4(-9.5,5.5) H5(-8.5,5.5) H6(-7.5,5.5) H7(-6.5,5.5) H8(-5.5,5.5) H9(-4.5,5.5) H10(-3.5,5.5) H11(-2.5,5.5) H12(-1.5,5.5) H13(-0.5,5.5) H14(0.5,5.5) H15(1.5,5.5) H16(2.5,5.5) H17(3.5,5.5) H18(4.5,5.5) H19(5.5,5.5) H20(6.5,5.5) H21(7.5,5.5) H22(8.5,5.5) H23(9.5,5.5) H24(10.5,5.5) H25(11.5,5.5) H26(12.5,5.5) J1(-12.5,4.5) J2(-11.5,4.5) J3(-10.5,4.5) J4(-9.5,4.5) J5(-8.5,4.5) J6(-7.5,4.5) J7(-6.5,4.5) J8(-5.5,4.5) J9(-4.5,4.5) J10(-3.5,4.5) J11(-2.5,4.5) J12(-1.5,4.5) J13(-0.5,4.5) J14(0.5,4.5) J15(1.5,4.5) J16(2.5,4.5) J17(3.5,4.5) J18(4.5,4.5) J19(5.5,4.5) J20(6.5,4.5) J21(7.5,4.5) J22(8.5,4.5) J23(9.5,4.5) J24(10.5,4.5) J25(11.5,4.5) J26(12.5,4.5) K1(-12.5,3.5) K2(-11.5,3.5) K3(-10.5,3.5) K4(-9.5,3.5) K5(-8.5,3.5) K6(-7.5,3.5) K7(-6.5,3.5) K8(-5.5,3.5) K9(-4.5,3.5) K10(-3.5,3.5) K11(-2.5,3.5) K12(-1.5,3.5) K13(-0.5,3.5) K14(0.5,3.5) K15(1.5,3.5) K16(2.5,3.5) K17(3.5,3.5) K18(4.5,3.5) K19(5.5,3.5) K20(6.5,3.5) K21(7.5,3.5) K22(8.5,3.5) K23(9.5,3.5) K24(10.5,3.5) K25(11.5,3.5) K26(12.5,3.5) L1(-12.5,2.5) L2(-11.5,2.5) L3(-10.5,2.5) L4(-9.5,2.5) L5(-8.5,2.5) L6(-7.5,2.5) L7(-6.5,2.5) L8(-5.5,2.5) L9(-4.5,2.5) L10(-3.5,2.5) L11(-2.5,2.5) L12(-1.5,2.5) L13(-0.5,2.5) L14(0.5,2.5) L15(1.5,2.5) L16(2.5,2.5) L17(3.5,2.5) L18(4.5,2.5) L19(5.5,2.5) L20(6.5,2.5) L21(7.5,2.5) L22(8.5,2.5) L23(9.5,2.5) L24(10.5,2.5) L25(11.5,2.5) L26(12.5,2.5) M1(-12.5,1.5) M2(-11.5,1.5) M3(-10.5,1.5) M4(-9.5,1.5) M5(-8.5,1.5) M6(-7.5,1.5) M7(-6.5,1.5) M8(-5.5,1.5) M9(-4.5,1.5) M10(-3.5,1.5) M11(-2.5,1.5) M12(-1.5,1.5) M13(-0.5,1.5) M14(0.5,1.5) M15(1.5,1.5) M16(2.5,1.5) M17(3.5,1.5) M18(4.5,1.5) M19(5.5,1.5) M20(6.5,1.5) M21(7.5,1.5) M22(8.5,1.5) M23(9.5,1.5) M24(10.5,1.5) M25(11.5,1.5) M26(12.5,1.5) N1(-12.5,0.5) N2(-11.5,0.5) N3(-10.5,0.5) N4(-9.5,0.5) N5(-8.5,0.5) N6(-7.5,0.5) N7(-6.5,0.5) N8(-5.5,0.5) N9(-4.5,0.5) N10(-3.5,0.5) N11(-2.5,0.5) N12(-1.5,0.5) N13(-0.5,0.5) N14(0.5,0.5) N15(1.5,0.5) N16(2.5,0.5) N17(3.5,0.5) N18(4.5,0.5) N19(5.5,0.5) N20(6.5,0.5) N21(7.5,0.5) N22(8.5,0.5) N23(9.5,0.5) N24(10.5,0.5) N25(11.5,0.5) N26(12.5,0.5) P1(-12.5,-0.5) P2(-11.5,-0.5) P3(-10.5,-0.5) P4(-9.5,-0.5) P5(-8.5,-0.5) P6(-7.5,-0.5) P7(-6.5,-0.5) P8(-5.5,-0.5) P9(-4.5,-0.5) P10(-3.5,-0.5) P11(-2.5,-0.5) P12(-1.5,-0.5) P13(-0.5,-0.5) P14(0.5,-0.5) P15(1.5,-0.5) P16(2.5,-0.5) P17(3.5,-0.5) P18(4.5,-0.5) P19(5.5,-0.5) P20(6.5,-0.5) P21(7.5,-0.5) P22(8.5,-0.5) P23(9.5,-0.5) P24(10.5,-0.5) P25(11.5,-0.5) P26(12.5,-0.5) R1(-12.5,-1.5) R2(-11.5,-1.5) R3(-10.5,-1.5) R4(-9.5,-1.5) R5(-8.5,-1.5) R6(-7.5,-1.5) R7(-6.5,-1.5) R8(-5.5,-1.5) R9(-4.5,-1.5) R10(-3.5,-1.5) R11(-2.5,-1.5) R12(-1.5,-1.5) R13(-0.5,-1.5) R14(0.5,-1.5) R15(1.5,-1.5) R16(2.5,-1.5) R17(3.5,-1.5) R18(4.5,-1.5) R19(5.5,-1.5) R20(6.5,-1.5) R21(7.5,-1.5) R22(8.5,-1.5) R23(9.5,-1.5) R24(10.5,-1.5) R25(11.5,-1.5) R26(12.5,-1.5) T1(-12.5,-2.5) T2(-11.5,-2.5) T3(-10.5,-2.5) T4(-9.5,-2.5) T5(-8.5,-2.5) T6(-7.5,-2.5) T7(-6.5,-2.5) T8(-5.5,-2.5) T9(-4.5,-2.5) T10(-3.5,-2.5) T11(-2.5,-2.5) T12(-1.5,-2.5) T13(-0.5,-2.5) T14(0.5,-2.5) T15(1.5,-2.5) T16(2.5,-2.5) T17(3.5,-2.5) T18(4.5,-2.5) T19(5.5,-2.5) T20(6.5,-2.5) T21(7.5,-2.5) T22(8.5,-2.5) T23(9.5,-2.5) T24(10.5,-2.5) T25(11.5,-2.5) T26(12.5,-2.5) U1(-12.5,-3.5) U2(-11.5,-3.5) U3(-10.5,-3.5) U4(-9.5,-3.5) U5(-8.5,-3.5) U6(-7.5,-3.5) U7(-6.5,-3.5) U8(-5.5,-3.5) U9(-4.5,-3.5) U10(-3.5,-3.5) U11(-2.5,-3.5) U12(-1.5,-3.5) U13(-0.5,-3.5) U14(0.5,-3.5) U15(1.5,-3.5) U16(2.5,-3.5) U17(3.5,-3.5) U18(4.5,-3.5) U19(5.5,-3.5) U20(6.5,-3.5) U21(7.5,-3.5) U22(8.5,-3.5) U23(9.5,-3.5) U24(10.5,-3.5) U25(11.5,-3.5) U26(12.5,-3.5) V1(-12.5,-4.5) V2(-11.5,-4.5) V3(-10.5,-4.5) V4(-9.5,-4.5) V5(-8.5,-4.5) V6(-7.5,-4.5) V7(-6.5,-4.5) V8(-5.5,-4.5) V9(-4.5,-4.5) V10(-3.5,-4.5) V11(-2.5,-4.5) V12(-1.5,-4.5) V13(-0.5,-4.5) V14(0.5,-4.5) V15(1.5,-4.5) V16(2.5,-4.5) V17(3.5,-4.5) V18(4.5,-4.5) V19(5.5,-4.5) V20(6.5,-4.5) V21(7.5,-4.5) V22(8.5,-4.5) V23(9.5,-4.5) V24(10.5,-4.5) V25(11.5,-4.5) V26(12.5,-4.5) W1(-12.5,-5.5) W2(-11.5,-5.5) W3(-10.5,-5.5) W4(-9.5,-5.5) W5(-8.5,-5.5) W6(-7.5,-5.5) W7(-6.5,-5.5) W8(-5.5,-5.5) W9(-4.5,-5.5) W10(-3.5,-5.5) W11(-2.5,-5.5) W12(-1.5,-5.5) W13(-0.5,-5.5) W14(0.5,-5.5) W15(1.5,-5.5) W16(2.5,-5.5) W17(3.5,-5.5) W18(4.5,-5.5) W19(5.5,-5.5) W20(6.5,-5.5) W21(7.5,-5.5) W22(8.5,-5.5) W23(9.5,-5.5) W24(10.5,-5.5) W25(11.5,-5.5) W26(12.5,-5.5) Y1(-12.5,-6.5) Y2(-11.5,-6.5) Y3(-10.5,-6.5) Y4(-9.5,-6.5) Y5(-8.5,-6.5) Y6(-7.5,-6.5) Y7(-6.5,-6.5) Y8(-5.5,-6.5) Y9(-4.5,-6.5) Y10(-3.5,-6.5) Y11(-2.5,-6.5) Y12(-1.5,-6.5) Y13(-0.5,-6.5) Y14(0.5,-6.5) Y15(1.5,-6.5) Y16(2.5,-6.5) Y17(3.5,-6.5) Y18(4.5,-6.5) Y19(5.5,-6.5) Y20(6.5,-6.5) Y21(7.5,-6.5) Y22(8.5,-6.5) Y23(9.5,-6.5) Y24(10.5,-6.5) Y25(11.5,-6.5) Y26(12.5,-6.5)
  silkscreen extent -14.27,-13.5 13.5,13.5, body extent -14.78,-15.57 14.72,15.63, height 25.8
HVQFN24_NXP [mm] "QFN, 24-Leads, Body 4.00x4.00mm, Pitch 0.50mm, Thermal Pad 2.10x2.10mm, Modified"
  rrect50% 0.9x0.24 smd: 1(-2.05,1.25) 2(-2.05,0.75) 3(-2.05,0.25) 4(-2.05,-0.25) 5(-2.05,-0.75) 6(-2.05,-1.25) 13(2.05,-1.25) 14(2.05,-0.75) 15(2.05,-0.25) 16(2.05,0.25) 17(2.05,0.75) 18(2.05,1.25)
  rrect50% 0.24x0.9 smd: 7(-1.25,-2.05) 8(-0.75,-2.05) 9(-0.25,-2.05) 10(0.25,-2.05) 11(0.75,-2.05) 12(1.25,-2.05) 19(1.25,2.05) 20(0.75,2.05) 21(0.25,2.05) 22(-0.25,2.05) 23(-0.75,2.05) 24(-1.25,2.05)
  rrect8% 2.1x2.1 smd: 25(0,0)
  silkscreen extent -2.97,-2.2 2.2,2.2, body extent -2.1,-2.1 2.1,2.1, height 1
LOTES_ACA-SPI-004-K01 [mm] "LOTES ACA-SPI-004-K01 8 (2 x 4) Pos SOIC Socket"
  rrect50% 1.5x0.5 smd: 1(-4,1.905) 2(-4,0.635) 3(-4,-0.635) 4(-4,-1.905) 5(4,-1.905) 6(4,-0.635) 7(4,0.635) 8(4,1.905)
  silkscreen extent -5.83,-4.6 5.83,4.6, body extent -5.83,-4.61 5.83,4.61, height 5.65
Microchip_DSC1123CI2 [mm] "A footprint for a Microchip Technology DSC1123 series oscillator in 6-VDFN size"
  round 0.025 smd mask+0.05: 1(-1.05,-0.8)
  rect 0.6x0.85 smd mask+0.05: 2(0,-0.8) 5(0,0.8)
  rect 1x0.85 smd mask+0.05: 3(1.05,-0.8) 4(1.05,0.8) 6(-1.05,0.8)
  Top (L1) region: -0.55,-1.225 -1.55,-1.225 -1.55,-0.588 -1.338,-0.375 -0.55,-0.375
  silkscreen extent -1.9,-1.8 1.9,1.6, body extent -1.6,-1.24 1.6,1.24, height 0.84
Murata_Ind_1008 [mm]
  rrect50% 0.8x2 smd: 1(-1,0) 2(1,0)
  silkscreen extent -0.35,-1.05 0.35,1.05, body extent -1.25,-1 1.25,1, height 1.2
R_0402_Generic [mm] "Generic 0402 resistor footprint based on the KiCad default library"
  rrect50% 0.54x0.64 smd: 1(-0.51,0) 2(0.51,0)
  silkscreen extent -0.15,-0.38 0.15,0.38, body extent -0.53,-0.28 0.53,0.28, height 0.4